# Altium PCB UmTRXv2.PcbDoc (part 9 of 25)
Units mm, origin at the board's own origin, x right, y up, seen from the top; angles counter-clockwise.
Board outline 159.5 x 99.5 mm, 6 copper layers (Top Layer, GND, MidLayer1, Mid-Layer 2, InternalPlane2, Bottom Layer), stack 1.526 mm thick; 708 components, 578 nets, 2802 pads, 1408 vias.
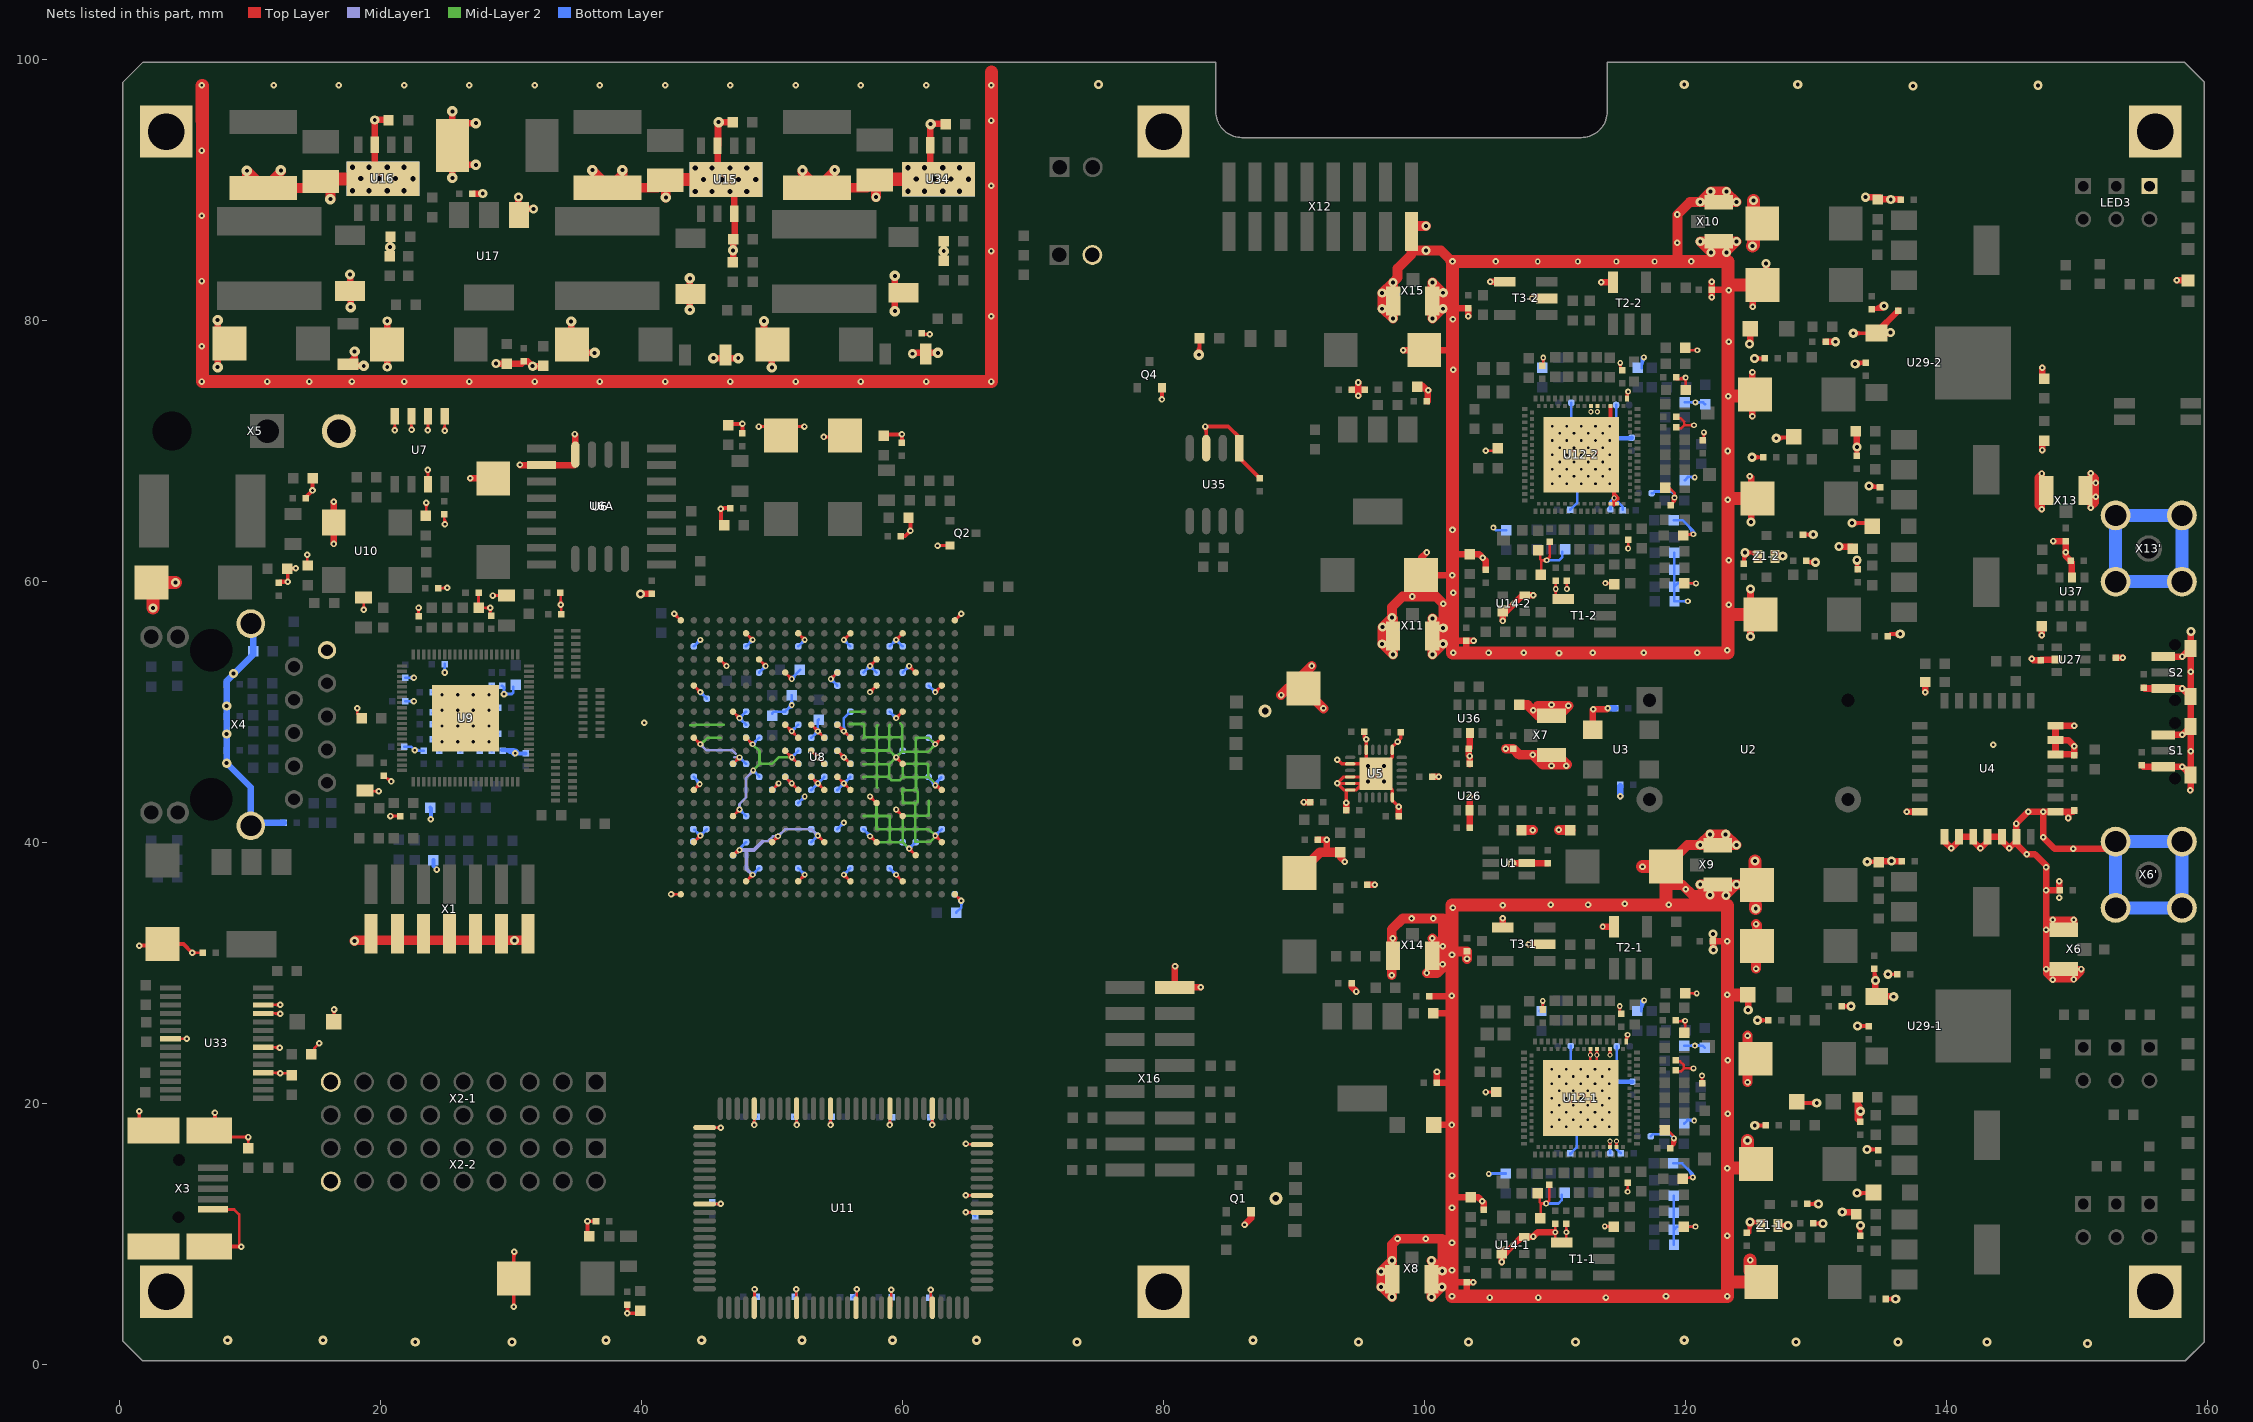
[diagram p13: the nets of this part, all layers, seen from the top]

## Via types
v1: diameter 0.5, hole 0.2, Top Layer to Bottom Layer, tented both sides, 441 vias
v2: diameter 0.45, hole 0.2, Top Layer to Bottom Layer, tented both sides, 429 vias
v3: diameter 0.7, hole 0.3, Top Layer to Bottom Layer, tented both sides, 258 vias
v4: diameter 0.4, hole 0.2, Top Layer to Bottom Layer, tented both sides, 197 vias
v5: diameter 0.8, hole 0.3, Top Layer to Bottom Layer, tented both sides, 61 vias
v6: diameter 0.6, hole 0.25, Top Layer to Bottom Layer, tented both sides, 16 vias
v7: diameter 0.6, hole 0.3, Top Layer to Bottom Layer, tented both sides, 4 vias
v8: diameter 1, hole 0.5, Top Layer to Bottom Layer, tented both sides, 2 vias

## Nets (pads, with @x,y where several pads share a name; then routed paths per layer and width w, separated by ;. In a path a pad name is that pad's centre, name@x,y a point inside that pad or via, vN(x,y) a via of type N, cw(c..) or ccw(c..) an arc to the next point about the centre after c; other vN are vias at no path point) (continued)
GND: (continued)
  Top Layer w0.2: U33.7@3.9,24.925 v1(5.125,24.925) ; v1(5.55,31.525) C214.1@6.35,31.525 ; X3.4@7.4,11.85 8.775,11.85 9.15,11.475 v1@9.15,9 ; X3.0@7.625,17.4 v1(9.85,17.4) C297.1@9.85,16.55 ; U33.18@11,22.325 12.275,22.325 12.3,22.35 v1(12.3,22.3) 13.025,22.3 C300.1@13.175,22.15 ; U33.21@11,24.275 12.225,24.275 v1(12.25,24.25) ; U33.25@11,26.875 12.225,26.875 12.25,26.9 v1(12.3,26.85) ; U33.26@11,27.525 12.275,27.525 v1(12.3,27.55) ; R78.2@14.375,61.175 v1(14.375,62.025) ; C299.1@14.675,23.625 14.925,23.875 14.925,24.225 v1(15.3,24.6) ; C298.2@16.425,26.175 v1(16.425,27.175) ; v1(18.2,50.25) 18.2,49.85 R60.2@18.55,49.5 ; v1(18.7,57.8) C283.2@18.7,58.75 ; C285.2@18.8,43.95 18.85,43.9 v1(19.85,43.9) ; C287.1@20.25,45.1 20.7,44.65 v1(20.8,44.65) ; v1(20.75,42) C228.1@21.4,42 ; v1(21.074,71.58) 21.087,71.594 U7.4@21.087,72.638 ; U7.3@22.357,72.638 22.357,71.602 v1(22.365,71.594) ; C240.2@22.9,57.3 v1(22.9,57.95) ; R62.1@23.5,65.05 v1(23.5,66) ; v1(23.606,68.523) 23.627,68.503 U7.7@23.627,67.428 ; v1(23.619,71.568) 23.627,71.576 U7.2@23.627,72.638 ; C37.2@24.4,59.45 25.05,59.45 v1(25.1,59.5) ; v1@24.875,64.369 C27.1@24.875,65.125 ; U7.1@24.897,72.638 24.897,71.543 v1(24.898,71.542) ; C40.2@27.5,59.1 R56.1@27.5,57.95 v1(28.4,57.95) C286.1@28.4,57.35 ; v1(28.6,58.9) 28.65,58.9 C284.2@29.65,58.9 ; C39.2@33.75,59.1 33.8,59.05 v1(33.8,58.2) 33.85,58.15 C42.2@33.85,57.45 ; v1(42.25,36) U8.A22@43,36 ; v1(42.5,57.5) U8.AB22@43,57 ; v1@42.503,57.35 cw(c42.509,57.009) 42.75,57.25 ; U8.E21@44,40 v2(44.5,40.5) ; U8.J21@44,44 v2@44.5,44.5 ; U8.N21@44,48 v2(44.5,47.5) ; U8.U21@44,52 v2(44.5,51.5) ; v2@44.3,44.45 cw(c43.938,44.45) 44.194,44.194 cw(c44.45,43.938) v2@44.45,44.3 ; v2@44.35,40.5 cw(c43.988,40.5) 44.244,40.244 cw(c44.5,39.988) v2@44.5,40.35 ; v2@44.35,47.5 ccw(c43.988,47.5) 44.244,47.756 ccw(c44.5,48.012) v2@44.5,47.65 ; v2@44.35,51.5 ccw(c43.988,51.5) 44.244,51.756 ccw(c44.5,52.012) v2@44.5,51.65 ; U11.40@44.825,12.275 v1(46.075,12.275) ; U11.31@44.825,18.125 v1(46.075,18.125) ; U8.W19@46,54 v2(46.5,53.5) ; v2@46.35,53.5 ccw(c45.988,53.5) 46.244,53.756 ccw(c46.5,54.012) v2@46.5,53.65 ; U8.D18@47,39 v2@47.5,39.5 ; U8.G18@47,42 v2(47.5,42.5) ; U8.L18@47,46 v2(47.5,46.5) ; U8.R18@47,50 v2(47.5,49.5) ; U8.D18@47.073,39.073 cw(c47.5,38.646) v2@47.5,39.25 ; v2@47.35,42.5 cw(c46.988,42.5) 47.244,42.244 cw(c47.5,41.988) v2@47.5,42.35 ; v2@47.35,46.5 cw(c46.988,46.5) 47.244,46.244 cw(c47.5,45.988) v2@47.5,46.35 ; v2@47.35,49.5 ccw(c46.988,49.5) 47.244,49.756 ccw(c47.5,50.012) v2@47.5,49.65 ; U8.B17@48,37 v2(48.5,37.5) ; U8.N17@48,48 v2(48.5,47.5) ; U8.AA17@48,56 v2(48.5,55.5) ; v2@48.35,37.5 cw(c47.988,37.5) 48.244,37.244 cw(c48.5,36.988) v2@48.5,37.35 ; v2@48.35,47.5 ccw(c47.988,47.5) 48.244,47.756 ccw(c48.5,48.012) v2@48.5,47.65 ; v2@48.35,55.5 ccw(c47.988,55.5) 48.244,55.756 ccw(c48.5,56.012) v2@48.5,55.65 ; U11.55@48.625,4.325 48.65,4.35 v1(48.65,5.75) ; v1(48.625,18.325) U11.26@48.625,19.575 ; U8.W16@49,54 v2(49.5,53.5) ; v1@49.025,71.85 v1(52.475,71.85) v1@52.525,71.85 ; v2@49.35,53.5 ccw(c48.988,53.5) 49.244,53.756 ccw(c49.5,54.012) v2@49.5,53.65 ; U8.E15@50,40 v2(50.45,40.45) ; U8.J15@50,44 v2(50.5,44.5) ; v2@50.3,40.45 cw(c49.938,40.45) 50.194,40.194 cw(c50.45,39.938) v2@50.45,40.3 ; v2@50.35,44.5 cw(c49.988,44.5) 50.244,44.244 cw(c50.5,43.988) v2@50.5,44.35 ; C166.2@50.675,71.15 C166.2@50.725,71.2 ; U8.K14@51,45 v2(51.5,44.5) U8.J13@52,44 ; U8.M14@51,47 v2(51.5,46.5) U8.L13@52,46 ; U8.P14@51,49 v2(51.5,48.5) U8.N13@52,48 ; U8.V14@51,53 v2(51.5,52.5) ; v2@51.35,44.5 ccw(c50.988,44.5) 51.244,44.756 ccw(c51.5,45.012) v2@51.5,44.65 ; v2@51.35,46.5 ccw(c50.988,46.5) 51.244,46.756 ccw(c51.5,47.012) v2@51.5,46.65 ; v2@51.35,48.5 ccw(c50.988,48.5) 51.244,48.756 ccw(c51.5,49.012) v2@51.5,48.65 ; v2@51.35,52.5 ccw(c50.988,52.5) 51.244,52.756 ccw(c51.5,53.012) v2@51.5,52.65 ; v2@51.5,44.35 cw(c51.5,43.988) 51.756,44.244 cw(c52.012,44.5) v2@51.65,44.5 ; v2@51.5,46.35 cw(c51.5,45.988) 51.756,46.244 cw(c52.012,46.5) v2@51.65,46.5 ; v2@51.5,48.35 cw(c51.5,47.988) 51.756,48.244 cw(c52.012,48.5) v2@51.65,48.5 ; v1(51.85,5.75) 51.85,4.35 U11.60@51.875,4.325 ; v1(51.875,18.325) U11.21@51.875,19.575 ; U8.B13@52,37 v2(52.5,37.5) ; U8.AA13@52,56 v2(52.5,55.5) ; v2@52.35,37.5 cw(c51.988,37.5) 52.244,37.244 cw(c52.5,36.988) v2@52.5,37.35 ; v2@52.35,55.5 ccw(c51.988,55.5) 52.244,55.756 ccw(c52.5,56.012) v2@52.5,55.65 ; U8.K12@53,45 v2(53.5,44.5) U8.J11@54,44 ; U8.M12@53,47 v2(53.5,46.5) U8.L11@54,46 ; U8.P12@53,49 v2(53.5,48.5) U8.N11@54,48 ; v2@53.35,44.5 ccw(c52.988,44.5) 53.244,44.756 ccw(c53.5,45.012) v2@53.5,44.65 ; v2@53.35,46.5 ccw(c52.988,46.5) 53.244,46.756 ccw(c53.5,47.012) v2@53.5,46.65 ; v2@53.35,48.5 ccw(c52.988,48.5) 53.244,48.756 ccw(c53.5,49.012) v2@53.5,48.65 ; v2@53.5,40.35 cw(c53.5,39.988) 53.756,40.244 cw(c54.012,40.5) v2@53.65,40.5 ; v2(53.5,40.5) U8.E11@54,40 ; v2@53.5,44.35 cw(c53.5,43.988) 53.756,44.244 cw(c54.012,44.5) v2@53.65,44.5 ; v2@53.5,46.35 cw(c53.5,45.988) 53.756,46.244 cw(c54.012,46.5) v2@53.65,46.5 ; v2@53.5,48.35 cw(c53.5,47.988) 53.756,48.244 cw(c54.012,48.5) v2@53.65,48.5 ; v1(53.95,71.05) 54.9,71.05 C165.2@55.55,70.4 ; v1(54.475,18.325) U11.17@54.475,19.575 ; v2(54.5,52.5) U8.V10@55,53 ; v2@54.5,52.65 ccw(c54.5,53.012) 54.756,52.756 ccw(c55.012,52.5) v2@54.65,52.5 ; U8.K10@55,45 v2(55.5,44.5) U8.J9@56,44 ; U8.M10@55,47 v2(55.5,46.5) U8.L9@56,46 ; U8.P10@55,49 v2(55.5,48.5) U8.N9@56,48 ; v2@55.35,44.5 ccw(c54.988,44.5) 55.244,44.756 ccw(c55.5,45.012) v2@55.5,44.65 ; v2@55.35,46.5 ccw(c54.988,46.5) 55.244,46.756 ccw(c55.5,47.012) v2@55.5,46.65 ; v2@55.35,48.5 ccw(c54.988,48.5) 55.244,48.756 ccw(c55.5,49.012) v2@55.5,48.65 ; v2@55.5,37.35 cw(c55.5,36.988) 55.756,37.244 cw(c56.012,37.5) v2@55.65,37.5 ; v2(55.5,37.5) U8.B9@56,37 ; v2@55.5,44.35 cw(c55.5,43.988) 55.756,44.244 cw(c56.012,44.5) v2@55.65,44.5 ; v2@55.5,46.35 cw(c55.5,45.988) 55.756,46.244 cw(c56.012,46.5) v2@55.65,46.5 ; v2@55.5,48.35 cw(c55.5,47.988) 55.756,48.244 cw(c56.012,48.5) v2@55.65,48.5 ; v2(55.5,55.5) U8.AA9@56,56 ; v2@55.5,55.65 ccw(c55.5,56.012) 55.756,55.756 ccw(c56.012,55.5) v2@55.65,55.5 ; U11.67@56.425,4.325 56.475,4.375 v1(56.475,5.75) ; v2@57.5,40.3 cw(c57.5,39.817) U8.E7@57.842,40.158 ; v2@57.5,40.5 U8.E7@58,40 ; v2@57.5,43.35 cw(c57.5,42.988) 57.756,43.244 cw(c58.012,43.5) v2@57.65,43.5 ; v2(57.5,43.5) U8.H7@58,43 ; v2(57.5,51.5) U8.U7@58,52 ; v2@57.5,51.65 ccw(c57.5,52.012) 57.756,51.756 ccw(c58.012,51.5) v2@57.65,51.5 ; v2(57.5,53.5) U8.W7@58,54 ; v2@57.5,53.65 ccw(c57.5,54.012) 57.756,53.756 ccw(c58.012,53.5) v2@57.65,53.5 ; v2@57.65,40.45 ccw(c57.891,40.45) 57.72,40.28 ; U11.71@59.025,4.325 59.125,4.425 v1(59.125,5.7) ; v1(59.025,18.325) U11.10@59.025,19.575 ; v2(59.5,37.5) U8.B5@60,37 ; v2@59.5,42.35 cw(c59.5,41.988) 59.756,42.244 cw(c60.012,42.5) v2@59.65,42.5 ; v2(59.5,42.5) U8.G5@60,42 ; v2@59.5,46.35 cw(c59.5,45.988) 59.756,46.244 cw(c60.012,46.5) v2@59.65,46.5 ; v2(59.5,46.5) U8.L5@60,46 ; v2(59.5,49.5) U8.R5@60,50 ; v2@59.5,49.65 ccw(c59.5,50.012) 59.756,49.756 ccw(c60.012,49.5) v2@59.65,49.5 ; v2(59.5,55.5) U8.AA5@60,56 ; v2@59.5,55.65 ccw(c59.5,56.012) 59.756,55.756 ccw(c60.012,55.5) v2@59.65,55.5 ; v2@60.5,39.35 cw(c60.5,38.988) 60.756,39.244 cw(c61.012,39.5) v2@60.65,39.5 ; v2(60.5,39.5) U8.D4@61,39 ; v2@60.5,53.35 cw(c60.5,52.988) 60.756,53.244 cw(c61.012,53.5) v2@60.65,53.5 ; v2(60.5,53.5) U8.V4@61,53 ; v1(62.15,5.7) 62.15,4.45 U11.76@62.275,4.325 ; v1(62.275,18.325) U11.5@62.275,19.575 ; v2@62.5,40.35 cw(c62.5,39.988) 62.756,40.244 cw(c63.012,40.5) v2@62.65,40.5 ; v2(62.5,40.5) U8.E2@63,40 ; v2@62.5,44.5 U8.J2@63,44 ccw(c62.517,43.517) v2@62.503,44.2 ; v2(62.5,47.5) U8.N2@63,48 ; v2@62.5,47.65 ccw(c62.5,48.012) 62.756,47.756 ccw(c63.012,47.5) v2@62.65,47.5 ; v2(62.5,51.5) U8.U2@63,52 ; v2@62.5,51.65 ccw(c62.5,52.012) 62.756,51.756 ccw(c63.012,51.5) v2@62.65,51.5 ; U8.A1@64,36 v1(64.5,35.5) ; U8.AB1@64,57 v1(64.5,57.5) ; v1(64.825,11.625) U11.90@66.075,11.625 ; v1(64.825,12.925) U11.92@66.075,12.925 ; v1(64.853,16.876) 64.879,16.85 U11.98@66.075,16.85 ; v1(104.675,70) 105.425,70 C76-2.2@105.6,70.175 ; v1(104.7,20.85) C76-1.2@105.5,20.85 ; C77-1.2@108.657,13.088 108.811,12.934 108.811,12.408 108.911,12.308 ; C77-2.2@108.696,62.38 108.85,62.226 108.85,61.7 108.95,61.6 ; C68-1.2@108.857,11.188 108.911,11.242 108.911,12.308 ; C68-2.2@108.896,60.48 108.95,60.534 108.95,61.6 ; C86-1.2@109.057,27.188 v2(109.057,27.838) ; C86-2.2@109.096,76.48 v2(109.096,77.13) ; C63-1.1@109.557,13.738 109.557,12.554 v2(109.311,12.308) 108.911,12.308 ; C63-2.1@109.596,63.03 109.596,61.846 v2(109.35,61.6) 108.95,61.6 ; T1-1.6@109.933,9.3 110.011,9.378 v2(110.011,10.108) 110.007,10.112 C85-1.1@110.007,10.738 ; T1-2.6@109.972,58.592 110.05,58.67 v2(110.05,59.4) 110.046,59.404 C85-2.1@110.046,60.03 ; T1-1.6@110.525,9.32 110.861,9.656 v2(110.861,10.108) 110.911,10.108 110.857,10.162 C94-1.1@110.857,10.738 ; C94-2.1@110.896,60.03 110.896,59.454 110.95,59.4 v2(110.9,59.4) ; U12-1.0@111.957,20.388 U12-1.0@112.707,21.138 ; v4(112.707,23.688) U12-1.0@112.707,21.138 ; v4@112.707,23.713 U12-1.99@112.707,24.138 ; v4(113.207,23.688) 113.207,21.638 U12-1.0@113.057,21.488 U12-1.0@112.707,21.138 ; v4@113.207,23.713 U12-1.97@113.207,24.138 ; v2(113.811,10.558) 113.711,10.558 113.731,10.538 C95-1.2@114.507,10.538 ; v2(113.85,59.85) 113.75,59.85 113.77,59.83 C95-2.2@114.546,59.83 ; U12-1.53@114.207,16.638 v4@114.207,17.063 ; v4@114.207,23.713 U12-1.93@114.207,24.138 ; U12-1.55@114.707,16.638 v4@114.707,17.063 ; C90-1.2@114.957,26.838 v2(114.957,27.438) ; C90-2.2@114.996,76.13 v2(114.996,76.73) ; U12-1.88@115.457,24.713 115.457,25.138 115.607,25.288 v2(115.557,25.238) ; U12-2.88@115.496,74.005 115.496,74.43 115.646,74.58 v2(115.596,74.53) ; C87-1.2@115.557,13.888 115.557,13.212 v2(115.561,13.208) ; C87-2.2@115.596,63.18 115.596,62.504 v2(115.6,62.5) ; C45-1.1@118.111,17.908 C45-1.1@118.411,17.908 ; C45-2.1@118.45,67.15 118.75,67.15 119.15,66.75 v2(119.15,66.4) 119.15,66.114 ; C45-1.1@118.65,17.9 119.111,17.439 119.111,16.822 ; C91-1.2@119.257,22.438 119.641,22.438 119.861,22.658 ; C61-1.1@119.257,23.188 119.269,23.2 119.569,23.2 119.861,22.908 119.861,22.658 ; C93-1.2@119.266,26.275 v2@119.85,26.275 ; C91-2.2@119.296,71.73 119.68,71.73 119.9,71.95 ; C61-2.1@119.296,72.48 119.316,72.5 119.6,72.5 119.9,72.2 119.9,71.95 ; C93-2.2@119.296,75.48 119.88,75.48 v2(120,75.6) 120,74.7 120.2,74.5 120.15,74.5 C97-2.1@119.95,74.7 ; R106-1.1@119.857,10.538 v2(120.757,10.538) ; C84-1.1@119.857,14.288 120.541,14.288 v2(120.561,14.308) ; R106-2.1@119.896,59.83 v2(120.796,59.83) ; C84-2.1@119.896,63.58 120.58,63.58 v2(120.6,63.6) ; C97-1.1@119.911,25.408 120.111,25.208 120.161,25.208 119.961,25.408 v2(119.961,26.308) ; R108-1.1@119.961,28.408 v2(120.861,28.408) ; R108-2.1@120,77.7 v2(120.9,77.7) ; v2(120.611,22.658) 119.861,22.658 ; v2(120.65,71.95) 119.9,71.95 ; C60-1.1@121.261,21.508 v2(121.261,22.108) ; C60-2.1@121.4,70.8 v2(121.4,71.4) ; v1@5.656,31.419 cw(c5.912,31.163) 5.912,31.525 ; v1@5.656,31.419 cw(c5.912,31.163) 5.912,31.525 ; v1@5.656,31.419 cw(c5.912,31.163) 5.912,31.525 ; v1@5.656,31.631 ccw(c5.912,31.887) 5.912,31.525 ; v1@5.656,31.631 ccw(c5.912,31.887) 5.912,31.525 ; v1@5.656,31.631 ccw(c5.912,31.887) 5.912,31.525 ; 9.488,17.4 ccw(c9.488,17.762) v1@9.744,17.506 ; 9.488,17.4 ccw(c9.488,17.762) v1@9.744,17.506 ; 9.488,17.4 cw(c9.488,17.038) v1@9.744,17.294 ; 9.488,17.4 ccw(c9.488,17.762) v1@9.744,17.506 ; 9.488,17.4 cw(c9.488,17.038) v1@9.744,17.294 ; 9.488,17.4 cw(c9.488,17.038) v1@9.744,17.294 ; v1@9.744,17.294 cw(c9.488,17.038) 9.85,17.038 ; v1@9.744,17.294 cw(c9.488,17.038) 9.85,17.038 ; v1@9.744,17.294 cw(c9.488,17.038) 9.85,17.038 ; 9.85,17.038 cw(c10.212,17.038) v1@9.956,17.294 ; 9.85,17.038 cw(c10.212,17.038) v1@9.956,17.294 ; 9.85,17.038 cw(c10.212,17.038) v1@9.956,17.294 ; 11.828,24.275 cw(c11.828,23.828) v1@12.144,24.144 ; 11.828,24.275 cw(c11.828,23.828) v1@12.144,24.144 ; 11.828,24.275 cw(c11.828,23.828) v1@12.144,24.144 ; 11.877,22.325 cw(c11.877,21.877) v1@12.194,22.194 ; 11.877,22.325 cw(c11.877,21.877) v1@12.194,22.194 ; 11.877,22.325 cw(c11.877,21.877) v1@12.194,22.194 ; 11.878,26.875 cw(c11.878,26.428) v1@12.194,26.744 ; 11.878,26.875 cw(c11.878,26.428) v1@12.194,26.744 ; 11.878,26.875 cw(c11.878,26.428) v1@12.194,26.744 ; 11.878,27.525 ccw(c11.878,27.972) v1@12.194,27.656 ; 11.878,27.525 ccw(c11.878,27.972) v1@12.194,27.656 ; 11.878,27.525 ccw(c11.878,27.972) v1@12.194,27.656 ; 11.948,24.275 ccw(c11.948,24.552) v1@12.144,24.356 ; 11.948,24.275 ccw(c11.948,24.552) v1@12.144,24.356 ; 11.948,24.275 ccw(c11.948,24.552) v1@12.144,24.356 ; 11.998,22.325 ccw(c11.998,22.602) v1@12.194,22.406 ; 11.998,22.325 ccw(c11.998,22.602) v1@12.194,22.406 ; 11.998,22.325 ccw(c11.998,22.602) v1@12.194,22.406 ; 11.998,26.875 ccw(c11.998,27.152) v1@12.194,26.956 ; 11.998,26.875 ccw(c11.998,27.152) v1@12.194,26.956 ; 11.998,26.875 ccw(c11.998,27.152) v1@12.194,26.956 ; 11.998,27.525 cw(c11.998,27.248) v1@12.194,27.444 ; 11.998,27.525 cw(c11.998,27.248) v1@12.194,27.444 ; 11.998,27.525 cw(c11.998,27.248) v1@12.194,27.444 ; v1@16.319,27.069 cw(c16.063,26.813) C298.2@16.425,26.813 ; v1@16.319,27.069 cw(c16.063,26.813) C298.2@16.425,26.813 ; v1@16.319,27.069 cw(c16.063,26.813) C298.2@16.425,26.813 ; C298.2@16.425,26.813 cw(c16.787,26.813) v1@16.531,27.069 ; C298.2@16.425,26.813 cw(c16.787,26.813) v1@16.531,27.069 ; C298.2@16.425,26.813 cw(c16.787,26.813) v1@16.531,27.069 ; v1@18.594,57.906 ccw(c18.338,58.162) 18.7,58.162 ; v1@18.594,57.906 ccw(c18.338,58.162) 18.7,58.162 ; v1@18.594,57.906 ccw(c18.338,58.162) 18.7,58.162 ; 18.7,58.162 ccw(c19.062,58.162) v1@18.806,57.906 ; 18.7,58.162 ccw(c19.062,58.162) v1@18.806,57.906 ; 18.7,58.162 ccw(c19.062,58.162) v1@18.806,57.906 ; 19.488,43.9 cw(c19.488,43.538) v1@19.744,43.794 ; 19.488,43.9 cw(c19.488,43.538) v1@19.744,43.794 ; 19.488,43.9 ccw(c19.488,44.262) v1@19.744,44.006 ; 19.488,43.9 ccw(c19.488,44.262) v1@19.744,44.006 ; 19.488,43.9 ccw(c19.488,44.262) v1@19.744,44.006 ; 19.488,43.9 cw(c19.488,43.538) v1@19.744,43.794 ; C287.1@20.373,44.977 ccw(c20.8,45.404) v1@20.8,44.8 ; C287.1@20.373,44.977 ccw(c20.8,45.404) v1@20.8,44.8 ; C287.1@20.373,44.977 ccw(c20.8,45.404) v1@20.8,44.8 ; v1@20.856,41.894 cw(c21.112,41.638) 21.112,42 ; v1@20.856,41.894 cw(c21.112,41.638) 21.112,42 ; v1@20.856,41.894 cw(c21.112,41.638) 21.112,42 ; v1@20.856,42.106 ccw(c21.112,42.362) 21.112,42 ; v1@20.856,42.106 ccw(c21.112,42.362) 21.112,42 ; v1@20.856,42.106 ccw(c21.112,42.362) 21.112,42 ; v1@20.968,71.687 ccw(c20.679,71.975) 21.087,71.975 ; v1@20.968,71.687 ccw(c20.679,71.975) 21.087,71.975 ; v1@20.968,71.687 ccw(c20.679,71.975) 21.087,71.975 ; 21.087,71.91 ccw(c21.403,71.91) v1@21.18,71.687 ; 21.087,71.91 ccw(c21.403,71.91) v1@21.18,71.687 ; 21.087,71.91 ccw(c21.403,71.91) v1@21.18,71.687 ; v1@22.259,71.7 ccw(c22.023,71.936) 22.357,71.936 ; v1@22.259,71.7 ccw(c22.023,71.936) 22.357,71.936 ; v1@22.259,71.7 ccw(c22.023,71.936) 22.357,71.936 ; 22.357,71.976 ccw(c22.747,71.976) v1@22.471,71.7 ; 22.357,71.976 ccw(c22.747,71.976) v1@22.471,71.7 ; 22.357,71.976 ccw(c22.747,71.976) v1@22.471,71.7 ; v1@22.794,57.844 cw(c22.538,57.588) 22.9,57.588 ; v1@22.794,57.844 cw(c22.538,57.588) 22.9,57.588 ; v1@22.794,57.844 cw(c22.538,57.588) 22.9,57.588 ; 22.9,57.588 cw(c23.262,57.588) v1@23.006,57.844 ; 22.9,57.588 cw(c23.262,57.588) v1@23.006,57.844 ; 22.9,57.588 cw(c23.262,57.588) v1@23.006,57.844 ; v1@23.394,65.894 cw(c23.138,65.638) 23.5,65.638 ; v1@23.394,65.894 cw(c23.138,65.638) 23.5,65.638 ; v1@23.394,65.894 cw(c23.138,65.638) 23.5,65.638 ; 23.5,65.638 cw(c23.862,65.638) v1@23.606,65.894 ; 23.5,65.638 cw(c23.862,65.638) v1@23.606,65.894 ; 23.5,65.638 cw(c23.862,65.638) v1@23.606,65.894 ; v1@23.5,68.417 cw(c23.195,68.111) 23.627,68.111 ; v1@23.5,68.417 cw(c23.195,68.111) 23.627,68.111 ; v1@23.5,68.417 cw(c23.195,68.111) 23.627,68.111 ; v1@23.513,71.674 ccw(c23.237,71.95) 23.627,71.95 ; v1@23.513,71.674 ccw(c23.237,71.95) 23.627,71.95 ; v1@23.513,71.674 ccw(c23.237,71.95) 23.627,71.95 ; 23.627,68.211 cw(c23.919,68.211) v1@23.713,68.417 ; 23.627,68.211 cw(c23.919,68.211) v1@23.713,68.417 ; 23.627,68.211 cw(c23.919,68.211) v1@23.713,68.417 ; 23.627,71.91 ccw(c23.961,71.91) v1@23.725,71.674 ; 23.627,71.91 ccw(c23.961,71.91) v1@23.725,71.674 ; 23.627,71.91 ccw(c23.961,71.91) v1@23.725,71.674 ; C37.2@24.617,59.45 ccw(c24.617,59.983) v1@24.994,59.606 ; C37.2@24.617,59.45 ccw(c24.617,59.983) v1@24.994,59.606 ; C37.2@24.617,59.45 ccw(c24.617,59.983) v1@24.994,59.606 ; v1@24.792,71.648 ccw(c24.538,71.902) 24.897,71.902 ; v1@24.792,71.648 ccw(c24.538,71.902) 24.897,71.902 ; v1@24.792,71.648 ccw(c24.538,71.902) 24.897,71.902 ; 24.875,64.858 ccw(c25.408,64.858) v1@25.031,64.481 ; 24.875,64.858 ccw(c25.408,64.858) v1@25.031,64.481 ; 24.875,64.858 ccw(c25.408,64.858) v1@25.031,64.481 ; 24.897,71.907 ccw(c25.263,71.907) v1@25.004,71.648 ; 24.897,71.907 ccw(c25.263,71.907) v1@25.004,71.648 ; 24.897,71.907 ccw(c25.263,71.907) v1@25.004,71.648 ; 28.038,57.95 cw(c28.038,57.588) v1@28.294,57.844 ; 28.038,57.95 ccw(c28.038,58.312) v1@28.294,58.056 ; 28.038,57.95 ccw(c28.038,58.312) v1@28.294,58.056 ; 28.038,57.95 ccw(c28.038,58.312) v1@28.294,58.056 ; 28.038,57.95 cw(c28.038,57.588) v1@28.294,57.844 ; 28.038,57.95 cw(c28.038,57.588) v1@28.294,57.844 ; v1@28.294,57.844 cw(c28.038,57.588) C286.1@28.4,57.588 ; v1@28.294,57.844 cw(c28.038,57.588) C286.1@28.4,57.588 ; v1@28.294,57.844 cw(c28.038,57.588) C286.1@28.4,57.588 ; C286.1@28.4,57.588 cw(c28.762,57.588) v1@28.506,57.844 ; C286.1@28.4,57.588 cw(c28.762,57.588) v1@28.506,57.844 ; C286.1@28.4,57.588 cw(c28.762,57.588) v1@28.506,57.844 ; v1@28.706,58.794 cw(c28.962,58.538) 28.962,58.9 ; v1@28.706,58.794 cw(c28.962,58.538) 28.962,58.9 ; v1@28.706,58.794 cw(c28.962,58.538) 28.962,58.9 ; v1@28.706,59.006 ccw(c28.962,59.262) 28.962,58.9 ; v1@28.706,59.006 ccw(c28.962,59.262) 28.962,58.9 ; v1@28.706,59.006 ccw(c28.962,59.262) 28.962,58.9 ; v1@33.694,58.094 cw(c33.317,57.717) 33.85,57.717 ; v1@33.694,58.094 cw(c33.317,57.717) 33.85,57.717 ; v1@33.694,58.094 cw(c33.317,57.717) 33.85,57.717 ; v1@33.694,58.306 ccw(c33.438,58.562) 33.8,58.562 ; v1@33.694,58.306 ccw(c33.438,58.562) 33.8,58.562 ; v1@33.694,58.306 ccw(c33.438,58.562) 33.8,58.562 ; 33.8,58.562 ccw(c34.162,58.562) v1@33.906,58.306 ; 33.8,58.562 ccw(c34.162,58.562) v1@33.906,58.306 ; 33.8,58.562 ccw(c34.162,58.562) v1@33.906,58.306 ; v1@42.356,35.894 cw(c42.612,35.638) 42.612,36 ; v1@42.356,35.894 cw(c42.612,35.638) 42.612,36 ; v1@42.356,35.894 cw(c42.612,35.638) 42.612,36 ; v1@42.356,36.106 ccw(c42.612,36.362) 42.612,36 ; v1@42.356,36.106 ccw(c42.612,36.362) 42.612,36 ; v1@42.356,36.106 ccw(c42.612,36.362) 42.612,36 ; v1@42.5,57.35 cw(c42.5,56.988) 42.756,57.244 ; v1@42.5,57.35 cw(c42.5,56.988) 42.756,57.244 ; v1@42.5,57.35 cw(c42.5,56.988) 42.756,57.244 ; v1@42.501,57.35 cw(c42.504,56.998) 42.756,57.244 ; v1@42.5,57.35 cw(c42.5,56.988) 42.756,57.244 ; v1@42.5,57.35 cw(c42.5,56.988) 42.756,57.244 ; v1@42.501,57.35 cw(c42.504,56.998) 42.756,57.244 ; v1@42.501,57.35 cw(c42.504,56.998) 42.756,57.244 ; v1@42.502,57.35 cw(c42.506,57.002) 42.749,57.251 ; v1@42.502,57.35 cw(c42.506,57.002) 42.749,57.251 ; v1@42.502,57.35 cw(c42.506,57.002) 42.749,57.251 ; v1@42.502,57.35 cw(c42.507,57.005) 42.748,57.252 ccw(c42.507,57.005) v1@42.502,57.35 ; v1@42.503,57.35 cw(c42.508,57.008) 42.75,57.25 ; v1@42.502,57.35 cw(c42.506,57.002) 42.749,57.251 ; v1@42.502,57.35 cw(c42.506,57.002) 42.749,57.251 ; v1@42.502,57.35 cw(c42.506,57.002) 42.749,57.251 ; v1@42.504,57.35 cw(c42.512,57.018) 42.75,57.25 ; v1@42.504,57.35 cw(c42.512,57.018) 42.75,57.25 ; v1@42.504,57.35 cw(c42.512,57.018) 42.75,57.25 ; v1@42.65,57.496 ccw(c42.982,57.488) 42.75,57.25 ; v1@42.65,57.496 ccw(c42.982,57.488) 42.75,57.25 ; v1@42.65,57.496 ccw(c42.982,57.488) 42.75,57.25 ; v1@42.65,57.496 ccw(c42.981,57.487) 42.75,57.25 ; v1@42.65,57.496 ccw(c42.981,57.487) 42.75,57.25 ; v1@42.65,57.496 ccw(c42.981,57.488) 42.741,57.26 cw(c42.981,57.488) v1@42.65,57.496 ; v1@42.65,57.498 ccw(c42.997,57.494) 42.749,57.251 ; v1@42.65,57.498 